# KiCad board SparkFun_BMV080_panelized.kicad_pcb (continued)
## Nets (continued)
3.3V: C1.1 C1#2.1 C1#3.1 C1#4.1 C1#5.1 C1#6.1 C1#7.1 C1#8.1 C1#9.1 C1#10.1 C1#11.1 C1#12.1 C1#13.1 C1#14.1 C1#15.1 C1#16.1 C1#17.1 C1#18.1 C1#19.1 C1#20.1 C1#21.1 C1#22.1 C1#23.1 C1#24.1 C1#25.1 C1#26.1 C1#27.1 C1#28.1 C1#29.1 C1#30.1 C1#31.1 C1#32.1 C1#33.1 C1#34.1 C1#35.1 C1#36.1 C1#37.1 C1#38.1 C1#39.1 C1#40.1 C1#41.1 C1#42.1 C1#43.1 C1#44.1 C1#45.1 C1#46.1 C1#47.1 C1#48.1 C1#49.1 C1#50.1 C1#51.1 C1#52.1 C1#53.1 C1#54.1 C2.1 C2#2.1 C2#3.1 C2#4.1 C2#5.1 C2#6.1 C2#7.1 C2#8.1 C2#9.1 C2#10.1 C2#11.1 C2#12.1 C2#13.1 C2#14.1 C2#15.1 C2#16.1 C2#17.1 C2#18.1 C2#19.1 C2#20.1 C2#21.1 C2#22.1 C2#23.1 C2#24.1 C2#25.1 C2#26.1 C2#27.1 C2#28.1 C2#29.1 C2#30.1 C2#31.1 C2#32.1 C2#33.1 C2#34.1 C2#35.1 C2#36.1 C2#37.1 C2#38.1 C2#39.1 C2#40.1 C2#41.1 C2#42.1 C2#43.1 C2#44.1 C2#45.1 C2#46.1 C2#47.1 C2#48.1 C2#49.1 C2#50.1 C2#51.1 C2#52.1 C2#53.1 C2#54.1 C3.1 C3#2.1 C3#3.1 C3#4.1 C3#5.1 C3#6.1 C3#7.1 C3#8.1 C3#9.1 C3#10.1 C3#11.1 C3#12.1 C3#13.1 C3#14.1 C3#15.1 C3#16.1 C3#17.1 C3#18.1 C3#19.1 C3#20.1 C3#21.1 C3#22.1 C3#23.1 C3#24.1 C3#25.1 C3#26.1 C3#27.1 C3#28.1 C3#29.1 C3#30.1 C3#31.1 C3#32.1 C3#33.1 C3#34.1 C3#35.1 C3#36.1 C3#37.1 C3#38.1 C3#39.1 C3#40.1 C3#41.1 C3#42.1 C3#43.1 C3#44.1 C3#45.1 C3#46.1 C3#47.1 C3#48.1 C3#49.1 C3#50.1 C3#51.1 C3#52.1 C3#53.1 C3#54.1 C4.1 C4#2.1 C4#3.1 C4#4.1 C4#5.1 C4#6.1 C4#7.1 C4#8.1 C4#9.1 C4#10.1 C4#11.1 C4#12.1 C4#13.1 C4#14.1 C4#15.1 C4#16.1 C4#17.1 C4#18.1 C4#19.1 C4#20.1 C4#21.1 C4#22.1 C4#23.1 C4#24.1 C4#25.1 C4#26.1 C4#27.1 C4#28.1 C4#29.1 C4#30.1 C4#31.1 C4#32.1 C4#33.1 C4#34.1 C4#35.1 C4#36.1 C4#37.1 C4#38.1 C4#39.1 C4#40.1 C4#41.1 C4#42.1 C4#43.1 C4#44.1 C4#45.1 C4#46.1 C4#47.1 C4#48.1 C4#49.1 C4#50.1 C4#51.1 C4#52.1 C4#53.1 C4#54.1 C5.1 C5#2.1 C5#3.1 C5#4.1 C5#5.1 C5#6.1 C5#7.1 C5#8.1 C5#9.1 C5#10.1 C5#11.1 C5#12.1 C5#13.1 C5#14.1 C5#15.1 C5#16.1 C5#17.1 C5#18.1 C5#19.1 C5#20.1 C5#21.1 C5#22.1 C5#23.1 C5#24.1 C5#25.1 C5#26.1 C5#27.1 C5#28.1 C5#29.1 C5#30.1 C5#31.1 C5#32.1 C5#33.1 C5#34.1 C5#35.1 C5#36.1 C5#37.1 C5#38.1 C5#39.1 C5#40.1 C5#41.1 C5#42.1 C5#43.1 C5#44.1 C5#45.1 C5#46.1 C5#47.1 C5#48.1 C5#49.1 C5#50.1 C5#51.1 C5#52.1 C5#53.1 C5#54.1 J1.2 J1#2.2 J1#3.2 J1#4.2 J1#5.2 J1#6.2 J1#7.2 J1#8.2 J1#9.2 J1#10.2 J1#11.2 J1#12.2 J1#13.2 J1#14.2 J1#15.2 J1#16.2 J1#17.2 J1#18.2 J1#19.2 J1#20.2 J1#21.2 J1#22.2 J1#23.2 J1#24.2 J1#25.2 J1#26.2 J1#27.2 J1#28.2 J1#29.2 J1#30.2 J1#31.2 J1#32.2 J1#33.2 J1#34.2 J1#35.2 J1#36.2 J1#37.2 J1#38.2 J1#39.2 J1#40.2 J1#41.2 J1#42.2 J1#43.2 J1#44.2 J1#45.2 J1#46.2 J1#47.2 J1#48.2 J1#49.2 J1#50.2 J1#51.2 J1#52.2 J1#53.2 J1#54.2 J2.5 J2#2.5 J2#3.5 J2#4.5 J2#5.5 J2#6.5 J2#7.5 J2#8.5 J2#9.5 J2#10.5 J2#11.5 J2#12.5 J2#13.5 J2#14.5 J2#15.5 J2#16.5 J2#17.5 J2#18.5 J2#19.5 J2#20.5 J2#21.5 J2#22.5 J2#23.5 J2#24.5 J2#25.5 J2#26.5 J2#27.5 J2#28.5 J2#29.5 J2#30.5 J2#31.5 J2#32.5 J2#33.5 J2#34.5 J2#35.5 J2#36.5 J2#37.5 J2#38.5 J2#39.5 J2#40.5 J2#41.5 J2#42.5 J2#43.5 J2#44.5 J2#45.5 J2#46.5 J2#47.5 J2#48.5 J2#49.5 J2#50.5 J2#51.5 J2#52.5 J2#53.5 J2#54.5 JP4.2 JP4#2.2 JP4#3.2 JP4#4.2 JP4#5.2 JP4#6.2 JP4#7.2 JP4#8.2 JP4#9.2 JP4#10.2 JP4#11.2 JP4#12.2 JP4#13.2 JP4#14.2 JP4#15.2 JP4#16.2 JP4#17.2 JP4#18.2 JP4#19.2 JP4#20.2 JP4#21.2 JP4#22.2 JP4#23.2 JP4#24.2 JP4#25.2 JP4#26.2 JP4#27.2 JP4#28.2 JP4#29.2 JP4#30.2 JP4#31.2 JP4#32.2 JP4#33.2 JP4#34.2 JP4#35.2 JP4#36.2 JP4#37.2 JP4#38.2 JP4#39.2 JP4#40.2 JP4#41.2 JP4#42.2 JP4#43.2 JP4#44.2 JP4#45.2 JP4#46.2 JP4#47.2 JP4#48.2 JP4#49.2 JP4#50.2 JP4#51.2 JP4#52.2 JP4#53.2 JP4#54.2 R1.1 R1#2.1 R1#3.1 R1#4.1 R1#5.1 R1#6.1 R1#7.1 R1#8.1 R1#9.1 R1#10.1 R1#11.1 R1#12.1 R1#13.1 R1#14.1 R1#15.1 R1#16.1 R1#17.1 R1#18.1 R1#19.1 R1#20.1 R1#21.1 R1#22.1 R1#23.1 R1#24.1 R1#25.1 R1#26.1 R1#27.1 R1#28.1 R1#29.1 R1#30.1 R1#31.1 R1#32.1 R1#33.1 R1#34.1 R1#35.1 R1#36.1 R1#37.1 R1#38.1 R1#39.1 R1#40.1 R1#41.1 R1#42.1 R1#43.1 R1#44.1 R1#45.1 R1#46.1 R1#47.1 R1#48.1 R1#49.1 R1#50.1 R1#51.1 R1#52.1 R1#53.1 R1#54.1 R2.1 R2#2.1 R2#3.1 R2#4.1 R2#5.1 R2#6.1 R2#7.1 R2#8.1 R2#9.1 R2#10.1 R2#11.1 R2#12.1 R2#13.1 R2#14.1 R2#15.1 R2#16.1 R2#17.1 R2#18.1 R2#19.1 R2#20.1 R2#21.1 R2#22.1 R2#23.1 R2#24.1 R2#25.1 R2#26.1 R2#27.1 R2#28.1 R2#29.1 R2#30.1 R2#31.1 R2#32.1 R2#33.1 R2#34.1 R2#35.1 R2#36.1 R2#37.1 R2#38.1 R2#39.1 R2#40.1 R2#41.1 R2#42.1 R2#43.1 R2#44.1 R2#45.1 R2#46.1 R2#47.1 R2#48.1 R2#49.1 R2#50.1 R2#51.1 R2#52.1 R2#53.1 R2#54.1 R4.1 R4#2.1 R4#3.1 R4#4.1 R4#5.1 R4#6.1 R4#7.1 R4#8.1 R4#9.1 R4#10.1 R4#11.1 R4#12.1 R4#13.1 R4#14.1 R4#15.1 R4#16.1 R4#17.1 R4#18.1 R4#19.1 R4#20.1 R4#21.1 R4#22.1 R4#23.1 R4#24.1 R4#25.1 R4#26.1 R4#27.1 R4#28.1 R4#29.1 R4#30.1 R4#31.1 R4#32.1 R4#33.1 R4#34.1 R4#35.1 R4#36.1 R4#37.1 R4#38.1 R4#39.1 R4#40.1 R4#41.1 R4#42.1 R4#43.1 R4#44.1 R4#45.1 R4#46.1 R4#47.1 R4#48.1 R4#49.1 R4#50.1 R4#51.1 R4#52.1 R4#53.1 R4#54.1 U1.1 U1.3 U1.8 U1.10 U1#2.1 U1#2.3 U1#2.8 U1#2.10 U1#3.1 U1#3.3 U1#3.8 U1#3.10 U1#4.1 U1#4.3 U1#4.8 U1#4.10 U1#5.1 U1#5.3 U1#5.8 U1#5.10 U1#6.1 U1#6.3 U1#6.8 U1#6.10 U1#7.1 U1#7.3 U1#7.8 U1#7.10 U1#8.1 U1#8.3 U1#8.8 U1#8.10 U1#9.1 U1#9.3 U1#9.8 U1#9.10 U1#10.1 U1#10.3 U1#10.8 U1#10.10 U1#11.1 U1#11.3 U1#11.8 U1#11.10 U1#12.1 U1#12.3 U1#12.8 U1#12.10 U1#13.1 U1#13.3 U1#13.8 U1#13.10 U1#14.1 U1#14.3 U1#14.8 U1#14.10 U1#15.1 U1#15.3 U1#15.8 U1#15.10 U1#16.1 U1#16.3 U1#16.8 U1#16.10 U1#17.1 U1#17.3 U1#17.8 U1#17.10 U1#18.1 U1#18.3 U1#18.8 U1#18.10 U1#19.1 U1#19.3 U1#19.8 U1#19.10 U1#20.1 U1#20.3 U1#20.8 U1#20.10 U1#21.1 U1#21.3 U1#21.8 U1#21.10 U1#22.1 U1#22.3 U1#22.8 U1#22.10 U1#23.1 U1#23.3 U1#23.8 U1#23.10 U1#24.1 U1#24.3 U1#24.8 U1#24.10 U1#25.1 U1#25.3 U1#25.8 U1#25.10 U1#26.1 U1#26.3 U1#26.8 U1#26.10 U1#27.1 U1#27.3 U1#27.8 U1#27.10 U1#28.1 U1#28.3 U1#28.8 U1#28.10 U1#29.1 U1#29.3 U1#29.8 U1#29.10 U1#30.1 U1#30.3 U1#30.8 U1#30.10 U1#31.1 U1#31.3 U1#31.8 U1#31.10 U1#32.1 U1#32.3 U1#32.8 U1#32.10 U1#33.1 U1#33.3 U1#33.8 U1#33.10 U1#34.1 U1#34.3 U1#34.8 U1#34.10 U1#35.1 U1#35.3 U1#35.8 U1#35.10 U1#36.1 U1#36.3 U1#36.8 U1#36.10 U1#37.1 U1#37.3 U1#37.8 U1#37.10 U1#38.1 U1#38.3 U1#38.8 U1#38.10 U1#39.1 U1#39.3 U1#39.8 U1#39.10 U1#40.1 U1#40.3 U1#40.8 U1#40.10 U1#41.1 U1#41.3 U1#41.8 U1#41.10 U1#42.1 U1#42.3 U1#42.8 U1#42.10 U1#43.1 U1#43.3 U1#43.8 U1#43.10 U1#44.1 U1#44.3 U1#44.8 U1#44.10 U1#45.1 U1#45.3 U1#45.8 U1#45.10 U1#46.1 U1#46.3 U1#46.8 U1#46.10 U1#47.1 U1#47.3 U1#47.8 U1#47.10 U1#48.1 U1#48.3 U1#48.8 U1#48.10 U1#49.1 U1#49.3 U1#49.8 U1#49.10 U1#50.1 U1#50.3 U1#50.8 U1#50.10 U1#51.1 U1#51.3 U1#51.8 U1#51.10 U1#52.1 U1#52.3 U1#52.8 U1#52.10 U1#53.1 U1#53.3 U1#53.8 U1#53.10 U1#54.1 U1#54.3 U1#54.8 U1#54.10
GND: C1.2 C1#2.2 C1#3.2 C1#4.2 C1#5.2 C1#6.2 C1#7.2 C1#8.2 C1#9.2 C1#10.2 C1#11.2 C1#12.2 C1#13.2 C1#14.2 C1#15.2 C1#16.2 C1#17.2 C1#18.2 C1#19.2 C1#20.2 C1#21.2 C1#22.2 C1#23.2 C1#24.2 C1#25.2 C1#26.2 C1#27.2 C1#28.2 C1#29.2 C1#30.2 C1#31.2 C1#32.2 C1#33.2 C1#34.2 C1#35.2 C1#36.2 C1#37.2 C1#38.2 C1#39.2 C1#40.2 C1#41.2 C1#42.2 C1#43.2 C1#44.2 C1#45.2 C1#46.2 C1#47.2 C1#48.2 C1#49.2 C1#50.2 C1#51.2 C1#52.2 C1#53.2 C1#54.2 C2.2 C2#2.2 C2#3.2 C2#4.2 C2#5.2 C2#6.2 C2#7.2 C2#8.2 C2#9.2 C2#10.2 C2#11.2 C2#12.2 C2#13.2 C2#14.2 C2#15.2 C2#16.2 C2#17.2 C2#18.2 C2#19.2 C2#20.2 C2#21.2 C2#22.2 C2#23.2 C2#24.2 C2#25.2 C2#26.2 C2#27.2 C2#28.2 C2#29.2 C2#30.2 C2#31.2 C2#32.2 C2#33.2 C2#34.2 C2#35.2 C2#36.2 C2#37.2 C2#38.2 C2#39.2 C2#40.2 C2#41.2 C2#42.2 C2#43.2 C2#44.2 C2#45.2 C2#46.2 C2#47.2 C2#48.2 C2#49.2 C2#50.2 C2#51.2 C2#52.2 C2#53.2 C2#54.2 C3.2 C3#2.2 C3#3.2 C3#4.2 C3#5.2 C3#6.2 C3#7.2 C3#8.2 C3#9.2 C3#10.2 C3#11.2 C3#12.2 C3#13.2 C3#14.2 C3#15.2 C3#16.2 C3#17.2 C3#18.2 C3#19.2 C3#20.2 C3#21.2 C3#22.2 C3#23.2 C3#24.2 C3#25.2 C3#26.2 C3#27.2 C3#28.2 C3#29.2 C3#30.2 C3#31.2 C3#32.2 C3#33.2 C3#34.2 C3#35.2 C3#36.2 C3#37.2 C3#38.2 C3#39.2 C3#40.2 C3#41.2 C3#42.2 C3#43.2 C3#44.2 C3#45.2 C3#46.2 C3#47.2 C3#48.2 C3#49.2 C3#50.2 C3#51.2 C3#52.2 C3#53.2 C3#54.2 C4.2 C4#2.2 C4#3.2 C4#4.2 C4#5.2 C4#6.2 C4#7.2 C4#8.2 C4#9.2 C4#10.2 C4#11.2 C4#12.2 C4#13.2 C4#14.2 C4#15.2 C4#16.2 C4#17.2 C4#18.2 C4#19.2 C4#20.2 C4#21.2 C4#22.2 C4#23.2 C4#24.2 C4#25.2 C4#26.2 C4#27.2 C4#28.2 C4#29.2 C4#30.2 C4#31.2 C4#32.2 C4#33.2 C4#34.2 C4#35.2 C4#36.2 C4#37.2 C4#38.2 C4#39.2 C4#40.2 C4#41.2 C4#42.2 C4#43.2 C4#44.2 C4#45.2 C4#46.2 C4#47.2 C4#48.2 C4#49.2 C4#50.2 C4#51.2 C4#52.2 C4#53.2 C4#54.2 C5.2 C5#2.2 C5#3.2 C5#4.2 C5#5.2 C5#6.2 C5#7.2 C5#8.2 C5#9.2 C5#10.2 C5#11.2 C5#12.2 C5#13.2 C5#14.2 C5#15.2 C5#16.2 C5#17.2 C5#18.2 C5#19.2 C5#20.2 C5#21.2 C5#22.2 C5#23.2 C5#24.2 C5#25.2 C5#26.2 C5#27.2 C5#28.2 C5#29.2 C5#30.2 C5#31.2 C5#32.2 C5#33.2 C5#34.2 C5#35.2 C5#36.2 C5#37.2 C5#38.2 C5#39.2 C5#40.2 C5#41.2 C5#42.2 C5#43.2 C5#44.2 C5#45.2 C5#46.2 C5#47.2 C5#48.2 C5#49.2 C5#50.2 C5#51.2 C5#52.2 C5#53.2 C5#54.2 J1.1 J1#2.1 J1#3.1 J1#4.1 J1#5.1 J1#6.1 J1#7.1 J1#8.1 J1#9.1 J1#10.1 J1#11.1 J1#12.1 J1#13.1 J1#14.1 J1#15.1 J1#16.1 J1#17.1 J1#18.1 J1#19.1 J1#20.1 J1#21.1 J1#22.1 J1#23.1 J1#24.1 J1#25.1 J1#26.1 J1#27.1 J1#28.1 J1#29.1 J1#30.1 J1#31.1 J1#32.1 J1#33.1 J1#34.1 J1#35.1 J1#36.1 J1#37.1 J1#38.1 J1#39.1 J1#40.1 J1#41.1 J1#42.1 J1#43.1 J1#44.1 J1#45.1 J1#46.1 J1#47.1 J1#48.1 J1#49.1 J1#50.1 J1#51.1 J1#52.1 J1#53.1 J1#54.1 J2.6 J2#2.6 J2#3.6 J2#4.6 J2#5.6 J2#6.6 J2#7.6 J2#8.6 J2#9.6 J2#10.6 J2#11.6 J2#12.6 J2#13.6 J2#14.6 J2#15.6 J2#16.6 J2#17.6 J2#18.6 J2#19.6 J2#20.6 J2#21.6 J2#22.6 J2#23.6 J2#24.6 J2#25.6 J2#26.6 J2#27.6 J2#28.6 J2#29.6 J2#30.6 J2#31.6 J2#32.6 J2#33.6 J2#34.6 J2#35.6 J2#36.6 J2#37.6 J2#38.6 J2#39.6 J2#40.6 J2#41.6 J2#42.6 J2#43.6 J2#44.6 J2#45.6 J2#46.6 J2#47.6 J2#48.6 J2#49.6 J2#50.6 J2#51.6 J2#52.6 J2#53.6 J2#54.6 JP1.3 JP1#2.3 JP1#3.3 JP1#4.3 JP1#5.3 JP1#6.3 JP1#7.3 JP1#8.3 JP1#9.3 JP1#10.3 JP1#11.3 JP1#12.3 JP1#13.3 JP1#14.3 JP1#15.3 JP1#16.3 JP1#17.3 JP1#18.3 JP1#19.3 JP1#20.3 JP1#21.3 JP1#22.3 JP1#23.3 JP1#24.3 JP1#25.3 JP1#26.3 JP1#27.3 JP1#28.3 JP1#29.3 JP1#30.3 JP1#31.3 JP1#32.3 JP1#33.3 JP1#34.3 JP1#35.3 JP1#36.3 JP1#37.3 JP1#38.3 JP1#39.3 JP1#40.3 JP1#41.3 JP1#42.3 JP1#43.3 JP1#44.3 JP1#45.3 JP1#46.3 JP1#47.3 JP1#48.3 JP1#49.3 JP1#50.3 JP1#51.3 JP1#52.3 JP1#53.3 JP1#54.3 JP2.3 JP2#2.3 JP2#3.3 JP2#4.3 JP2#5.3 JP2#6.3 JP2#7.3 JP2#8.3 JP2#9.3 JP2#10.3 JP2#11.3 JP2#12.3 JP2#13.3 JP2#14.3 JP2#15.3 JP2#16.3 JP2#17.3 JP2#18.3 JP2#19.3 JP2#20.3 JP2#21.3 JP2#22.3 JP2#23.3 JP2#24.3 JP2#25.3 JP2#26.3 JP2#27.3 JP2#28.3 JP2#29.3 JP2#30.3 JP2#31.3 JP2#32.3 JP2#33.3 JP2#34.3 JP2#35.3 JP2#36.3 JP2#37.3 JP2#38.3 JP2#39.3 JP2#40.3 JP2#41.3 JP2#42.3 JP2#43.3 JP2#44.3 JP2#45.3 JP2#46.3 JP2#47.3 JP2#48.3 JP2#49.3 JP2#50.3 JP2#51.3 JP2#52.3 JP2#53.3 JP2#54.3 JP3.3 JP3#2.3 JP3#3.3 JP3#4.3 JP3#5.3 JP3#6.3 JP3#7.3 JP3#8.3 JP3#9.3 JP3#10.3 JP3#11.3 JP3#12.3 JP3#13.3 JP3#14.3 JP3#15.3 JP3#16.3 JP3#17.3 JP3#18.3 JP3#19.3 JP3#20.3 JP3#21.3 JP3#22.3 JP3#23.3 JP3#24.3 JP3#25.3 JP3#26.3 JP3#27.3 JP3#28.3 JP3#29.3 JP3#30.3 JP3#31.3 JP3#32.3 JP3#33.3 JP3#34.3 JP3#35.3 JP3#36.3 JP3#37.3 JP3#38.3 JP3#39.3 JP3#40.3 JP3#41.3 JP3#42.3 JP3#43.3 JP3#44.3 JP3#45.3 JP3#46.3 JP3#47.3 JP3#48.3 JP3#49.3 JP3#50.3 JP3#51.3 JP3#52.3 JP3#53.3 JP3#54.3 U1.2 U1.9 U1#2.2 U1#2.9 U1#3.2 U1#3.9 U1#4.2 U1#4.9 U1#5.2 U1#5.9 U1#6.2 U1#6.9 U1#7.2 U1#7.9 U1#8.2 U1#8.9 U1#9.2 U1#9.9 U1#10.2 U1#10.9 U1#11.2 U1#11.9 U1#12.2 U1#12.9 U1#13.2 U1#13.9 U1#14.2 U1#14.9 U1#15.2 U1#15.9 U1#16.2 U1#16.9 U1#17.2 U1#17.9 U1#18.2 U1#18.9 U1#19.2 U1#19.9 U1#20.2 U1#20.9 U1#21.2 U1#21.9 U1#22.2 U1#22.9 U1#23.2 U1#23.9 U1#24.2 U1#24.9 U1#25.2 U1#25.9 U1#26.2 U1#26.9 U1#27.2 U1#27.9 U1#28.2 U1#28.9 U1#29.2 U1#29.9 U1#30.2 U1#30.9 U1#31.2 U1#31.9 U1#32.2 U1#32.9 U1#33.2 U1#33.9 U1#34.2 U1#34.9 U1#35.2 U1#35.9 U1#36.2 U1#36.9 U1#37.2 U1#37.9 U1#38.2 U1#38.9 U1#39.2 U1#39.9 U1#40.2 U1#40.9 U1#41.2 U1#41.9 U1#42.2 U1#42.9 U1#43.2 U1#43.9 U1#44.2 U1#44.9 U1#45.2 U1#45.9 U1#46.2 U1#46.9 U1#47.2 U1#47.9 U1#48.2 U1#48.9 U1#49.2 U1#49.9 U1#50.2 U1#50.9 U1#51.2 U1#51.9 U1#52.2 U1#52.9 U1#53.2 U1#53.9 U1#54.2 U1#54.9
AB0: J2.2 J2#2.2 J2#3.2 J2#4.2 J2#5.2 J2#6.2 J2#7.2 J2#8.2 J2#9.2 J2#10.2 J2#11.2 J2#12.2 J2#13.2 J2#14.2 J2#15.2 J2#16.2 J2#17.2 J2#18.2 J2#19.2 J2#20.2 J2#21.2 J2#22.2 J2#23.2 J2#24.2 J2#25.2 J2#26.2 J2#27.2 J2#28.2 J2#29.2 J2#30.2 J2#31.2 J2#32.2 J2#33.2 J2#34.2 J2#35.2 J2#36.2 J2#37.2 J2#38.2 J2#39.2 J2#40.2 J2#41.2 J2#42.2 J2#43.2 J2#44.2 J2#45.2 J2#46.2 J2#47.2 J2#48.2 J2#49.2 J2#50.2 J2#51.2 J2#52.2 J2#53.2 J2#54.2 JP2.2 JP2#2.2 JP2#3.2 JP2#4.2 JP2#5.2 JP2#6.2 JP2#7.2 JP2#8.2 JP2#9.2 JP2#10.2 JP2#11.2 JP2#12.2 JP2#13.2 JP2#14.2 JP2#15.2 JP2#16.2 JP2#17.2 JP2#18.2 JP2#19.2 JP2#20.2 JP2#21.2 JP2#22.2 JP2#23.2 JP2#24.2 JP2#25.2 JP2#26.2 JP2#27.2 JP2#28.2 JP2#29.2 JP2#30.2 JP2#31.2 JP2#32.2 JP2#33.2 JP2#34.2 JP2#35.2 JP2#36.2 JP2#37.2 JP2#38.2 JP2#39.2 JP2#40.2 JP2#41.2 JP2#42.2 JP2#43.2 JP2#44.2 JP2#45.2 JP2#46.2 JP2#47.2 JP2#48.2 JP2#49.2 JP2#50.2 JP2#51.2 JP2#52.2 JP2#53.2 JP2#54.2 U1.11 U1#2.11 U1#3.11 U1#4.11 U1#5.11 U1#6.11 U1#7.11 U1#8.11 U1#9.11 U1#10.11 U1#11.11 U1#12.11 U1#13.11 U1#14.11 U1#15.11 U1#16.11 U1#17.11 U1#18.11 U1#19.11 U1#20.11 U1#21.11 U1#22.11 U1#23.11 U1#24.11 U1#25.11 U1#26.11 U1#27.11 U1#28.11 U1#29.11 U1#30.11 U1#31.11 U1#32.11 U1#33.11 U1#34.11 U1#35.11 U1#36.11 U1#37.11 U1#38.11 U1#39.11 U1#40.11 U1#41.11 U1#42.11 U1#43.11 U1#44.11 U1#45.11 U1#46.11 U1#47.11 U1#48.11 U1#49.11 U1#50.11 U1#51.11 U1#52.11 U1#53.11 U1#54.11
AB1: J2.7 J2#2.7 J2#3.7 J2#4.7 J2#5.7 J2#6.7 J2#7.7 J2#8.7 J2#9.7 J2#10.7 J2#11.7 J2#12.7 J2#13.7 J2#14.7 J2#15.7 J2#16.7 J2#17.7 J2#18.7 J2#19.7 J2#20.7 J2#21.7 J2#22.7 J2#23.7 J2#24.7 J2#25.7 J2#26.7 J2#27.7 J2#28.7 J2#29.7 J2#30.7 J2#31.7 J2#32.7 J2#33.7 J2#34.7 J2#35.7 J2#36.7 J2#37.7 J2#38.7 J2#39.7 J2#40.7 J2#41.7 J2#42.7 J2#43.7 J2#44.7 J2#45.7 J2#46.7 J2#47.7 J2#48.7 J2#49.7 J2#50.7 J2#51.7 J2#52.7 J2#53.7 J2#54.7 JP3.2 JP3#2.2 JP3#3.2 JP3#4.2 JP3#5.2 JP3#6.2 JP3#7.2 JP3#8.2 JP3#9.2 JP3#10.2 JP3#11.2 JP3#12.2 JP3#13.2 JP3#14.2 JP3#15.2 JP3#16.2 JP3#17.2 JP3#18.2 JP3#19.2 JP3#20.2 JP3#21.2 JP3#22.2 JP3#23.2 JP3#24.2 JP3#25.2 JP3#26.2 JP3#27.2 JP3#28.2 JP3#29.2 JP3#30.2 JP3#31.2 JP3#32.2 JP3#33.2 JP3#34.2 JP3#35.2 JP3#36.2 JP3#37.2 JP3#38.2 JP3#39.2 JP3#40.2 JP3#41.2 JP3#42.2 JP3#43.2 JP3#44.2 JP3#45.2 JP3#46.2 JP3#47.2 JP3#48.2 JP3#49.2 JP3#50.2 JP3#51.2 JP3#52.2 JP3#53.2 JP3#54.2 U1.4 U1#2.4 U1#3.4 U1#4.4 U1#5.4 U1#6.4 U1#7.4 U1#8.4 U1#9.4 U1#10.4 U1#11.4 U1#12.4 U1#13.4 U1#14.4 U1#15.4 U1#16.4 U1#17.4 U1#18.4 U1#19.4 U1#20.4 U1#21.4 U1#22.4 U1#23.4 U1#24.4 U1#25.4 U1#26.4 U1#27.4 U1#28.4 U1#29.4 U1#30.4 U1#31.4 U1#32.4 U1#33.4 U1#34.4 U1#35.4 U1#36.4 U1#37.4 U1#38.4 U1#39.4 U1#40.4 U1#41.4 U1#42.4 U1#43.4 U1#44.4 U1#45.4 U1#46.4 U1#47.4 U1#48.4 U1#49.4 U1#50.4 U1#51.4 U1#52.4 U1#53.4 U1#54.4
IRQ: J2.1 J2#2.1 J2#3.1 J2#4.1 J2#5.1 J2#6.1 J2#7.1 J2#8.1 J2#9.1 J2#10.1 J2#11.1 J2#12.1 J2#13.1 J2#14.1 J2#15.1 J2#16.1 J2#17.1 J2#18.1 J2#19.1 J2#20.1 J2#21.1 J2#22.1 J2#23.1 J2#24.1 J2#25.1 J2#26.1 J2#27.1 J2#28.1 J2#29.1 J2#30.1 J2#31.1 J2#32.1 J2#33.1 J2#34.1 J2#35.1 J2#36.1 J2#37.1 J2#38.1 J2#39.1 J2#40.1 J2#41.1 J2#42.1 J2#43.1 J2#44.1 J2#45.1 J2#46.1 J2#47.1 J2#48.1 J2#49.1 J2#50.1 J2#51.1 J2#52.1 J2#53.1 J2#54.1 U1.12 U1#2.12 U1#3.12 U1#4.12 U1#5.12 U1#6.12 U1#7.12 U1#8.12 U1#9.12 U1#10.12 U1#11.12 U1#12.12 U1#13.12 U1#14.12 U1#15.12 U1#16.12 U1#17.12 U1#18.12 U1#19.12 U1#20.12 U1#21.12 U1#22.12 U1#23.12 U1#24.12 U1#25.12 U1#26.12 U1#27.12 U1#28.12 U1#29.12 U1#30.12 U1#31.12 U1#32.12 U1#33.12 U1#34.12 U1#35.12 U1#36.12 U1#37.12 U1#38.12 U1#39.12 U1#40.12 U1#41.12 U1#42.12 U1#43.12 U1#44.12 U1#45.12 U1#46.12 U1#47.12 U1#48.12 U1#49.12 U1#50.12 U1#51.12 U1#52.12 U1#53.12 U1#54.12
SCL: J1.4 J1#2.4 J1#3.4 J1#4.4 J1#5.4 J1#6.4 J1#7.4 J1#8.4 J1#9.4 J1#10.4 J1#11.4 J1#12.4 J1#13.4 J1#14.4 J1#15.4 J1#16.4 J1#17.4 J1#18.4 J1#19.4 J1#20.4 J1#21.4 J1#22.4 J1#23.4 J1#24.4 J1#25.4 J1#26.4 J1#27.4 J1#28.4 J1#29.4 J1#30.4 J1#31.4 J1#32.4 J1#33.4 J1#34.4 J1#35.4 J1#36.4 J1#37.4 J1#38.4 J1#39.4 J1#40.4 J1#41.4 J1#42.4 J1#43.4 J1#44.4 J1#45.4 J1#46.4 J1#47.4 J1#48.4 J1#49.4 J1#50.4 J1#51.4 J1#52.4 J1#53.4 J1#54.4 J2.3 J2#2.3 J2#3.3 J2#4.3 J2#5.3 J2#6.3 J2#7.3 J2#8.3 J2#9.3 J2#10.3 J2#11.3 J2#12.3 J2#13.3 J2#14.3 J2#15.3 J2#16.3 J2#17.3 J2#18.3 J2#19.3 J2#20.3 J2#21.3 J2#22.3 J2#23.3 J2#24.3 J2#25.3 J2#26.3 J2#27.3 J2#28.3 J2#29.3 J2#30.3 J2#31.3 J2#32.3 J2#33.3 J2#34.3 J2#35.3 J2#36.3 J2#37.3 J2#38.3 J2#39.3 J2#40.3 J2#41.3 J2#42.3 J2#43.3 J2#44.3 J2#45.3 J2#46.3 J2#47.3 J2#48.3 J2#49.3 J2#50.3 J2#51.3 J2#52.3 J2#53.3 J2#54.3 R3.1 R3#2.1 R3#3.1 R3#4.1 R3#5.1 R3#6.1 R3#7.1 R3#8.1 R3#9.1 R3#10.1 R3#11.1 R3#12.1 R3#13.1 R3#14.1 R3#15.1 R3#16.1 R3#17.1 R3#18.1 R3#19.1 R3#20.1 R3#21.1 R3#22.1 R3#23.1 R3#24.1 R3#25.1 R3#26.1 R3#27.1 R3#28.1 R3#29.1 R3#30.1 R3#31.1 R3#32.1 R3#33.1 R3#34.1 R3#35.1 R3#36.1 R3#37.1 R3#38.1 R3#39.1 R3#40.1 R3#41.1 R3#42.1 R3#43.1 R3#44.1 R3#45.1 R3#46.1 R3#47.1 R3#48.1 R3#49.1 R3#50.1 R3#51.1 R3#52.1 R3#53.1 R3#54.1 U1.6 U1#2.6 U1#3.6 U1#4.6 U1#5.6 U1#6.6 U1#7.6 U1#8.6 U1#9.6 U1#10.6 U1#11.6 U1#12.6 U1#13.6 U1#14.6 U1#15.6 U1#16.6 U1#17.6 U1#18.6 U1#19.6 U1#20.6 U1#21.6 U1#22.6 U1#23.6 U1#24.6 U1#25.6 U1#26.6 U1#27.6 U1#28.6 U1#29.6 U1#30.6 U1#31.6 U1#32.6 U1#33.6 U1#34.6 U1#35.6 U1#36.6 U1#37.6 U1#38.6 U1#39.6 U1#40.6 U1#41.6 U1#42.6 U1#43.6 U1#44.6 U1#45.6 U1#46.6 U1#47.6 U1#48.6 U1#49.6 U1#50.6 U1#51.6 U1#52.6 U1#53.6 U1#54.6
SDA: J1.3 J1#2.3 J1#3.3 J1#4.3 J1#5.3 J1#6.3 J1#7.3 J1#8.3 J1#9.3 J1#10.3 J1#11.3 J1#12.3 J1#13.3 J1#14.3 J1#15.3 J1#16.3 J1#17.3 J1#18.3 J1#19.3 J1#20.3 J1#21.3 J1#22.3 J1#23.3 J1#24.3 J1#25.3 J1#26.3 J1#27.3 J1#28.3 J1#29.3 J1#30.3 J1#31.3 J1#32.3 J1#33.3 J1#34.3 J1#35.3 J1#36.3 J1#37.3 J1#38.3 J1#39.3 J1#40.3 J1#41.3 J1#42.3 J1#43.3 J1#44.3 J1#45.3 J1#46.3 J1#47.3 J1#48.3 J1#49.3 J1#50.3 J1#51.3 J1#52.3 J1#53.3 J1#54.3 J2.4 J2#2.4 J2#3.4 J2#4.4 J2#5.4 J2#6.4 J2#7.4 J2#8.4 J2#9.4 J2#10.4 J2#11.4 J2#12.4 J2#13.4 J2#14.4 J2#15.4 J2#16.4 J2#17.4 J2#18.4 J2#19.4 J2#20.4 J2#21.4 J2#22.4 J2#23.4 J2#24.4 J2#25.4 J2#26.4 J2#27.4 J2#28.4 J2#29.4 J2#30.4 J2#31.4 J2#32.4 J2#33.4 J2#34.4 J2#35.4 J2#36.4 J2#37.4 J2#38.4 J2#39.4 J2#40.4 J2#41.4 J2#42.4 J2#43.4 J2#44.4 J2#45.4 J2#46.4 J2#47.4 J2#48.4 J2#49.4 J2#50.4 J2#51.4 J2#52.4 J2#53.4 J2#54.4 R5.1 R5#2.1 R5#3.1 R5#4.1 R5#5.1 R5#6.1 R5#7.1 R5#8.1 R5#9.1 R5#10.1 R5#11.1 R5#12.1 R5#13.1 R5#14.1 R5#15.1 R5#16.1 R5#17.1 R5#18.1 R5#19.1 R5#20.1 R5#21.1 R5#22.1 R5#23.1 R5#24.1 R5#25.1 R5#26.1 R5#27.1 R5#28.1 R5#29.1 R5#30.1 R5#31.1 R5#32.1 R5#33.1 R5#34.1 R5#35.1 R5#36.1 R5#37.1 R5#38.1 R5#39.1 R5#40.1 R5#41.1 R5#42.1 R5#43.1 R5#44.1 R5#45.1 R5#46.1 R5#47.1 R5#48.1 R5#49.1 R5#50.1 R5#51.1 R5#52.1 R5#53.1 R5#54.1 U1.5 U1#2.5 U1#3.5 U1#4.5 U1#5.5 U1#6.5 U1#7.5 U1#8.5 U1#9.5 U1#10.5 U1#11.5 U1#12.5 U1#13.5 U1#14.5 U1#15.5 U1#16.5 U1#17.5 U1#18.5 U1#19.5 U1#20.5 U1#21.5 U1#22.5 U1#23.5 U1#24.5 U1#25.5 U1#26.5 U1#27.5 U1#28.5 U1#29.5 U1#30.5 U1#31.5 U1#32.5 U1#33.5 U1#34.5 U1#35.5 U1#36.5 U1#37.5 U1#38.5 U1#39.5 U1#40.5 U1#41.5 U1#42.5 U1#43.5 U1#44.5 U1#45.5 U1#46.5 U1#47.5 U1#48.5 U1#49.5 U1#50.5 U1#51.5 U1#52.5 U1#53.5 U1#54.5
Net-(JP1-A): JP1.1 JP1#2.1 JP1#3.1 JP1#4.1 JP1#5.1 JP1#6.1 JP1#7.1 JP1#8.1 JP1#9.1 JP1#10.1 JP1#11.1 JP1#12.1 JP1#13.1 JP1#14.1 JP1#15.1 JP1#16.1 JP1#17.1 JP1#18.1 JP1#19.1 JP1#20.1 JP1#21.1 JP1#22.1 JP1#23.1 JP1#24.1 JP1#25.1 JP1#26.1 JP1#27.1 JP1#28.1 JP1#29.1 JP1#30.1 JP1#31.1 JP1#32.1 JP1#33.1 JP1#34.1 JP1#35.1 JP1#36.1 JP1#37.1 JP1#38.1 JP1#39.1 JP1#40.1 JP1#41.1 JP1#42.1 JP1#43.1 JP1#44.1 JP1#45.1 JP1#46.1 JP1#47.1 JP1#48.1 JP1#49.1 JP1#50.1 JP1#51.1 JP1#52.1 JP1#53.1 JP1#54.1 R1.2 R1#2.2 R1#3.2 R1#4.2 R1#5.2 R1#6.2 R1#7.2 R1#8.2 R1#9.2 R1#10.2 R1#11.2 R1#12.2 R1#13.2 R1#14.2 R1#15.2 R1#16.2 R1#17.2 R1#18.2 R1#19.2 R1#20.2 R1#21.2 R1#22.2 R1#23.2 R1#24.2 R1#25.2 R1#26.2 R1#27.2 R1#28.2 R1#29.2 R1#30.2 R1#31.2 R1#32.2 R1#33.2 R1#34.2 R1#35.2 R1#36.2 R1#37.2 R1#38.2 R1#39.2 R1#40.2 R1#41.2 R1#42.2 R1#43.2 R1#44.2 R1#45.2 R1#46.2 R1#47.2 R1#48.2 R1#49.2 R1#50.2 R1#51.2 R1#52.2 R1#53.2 R1#54.2
Net-(JP1-C): JP1.2 JP1#2.2 JP1#3.2 JP1#4.2 JP1#5.2 JP1#6.2 JP1#7.2 JP1#8.2 JP1#9.2 JP1#10.2 JP1#11.2 JP1#12.2 JP1#13.2 JP1#14.2 JP1#15.2 JP1#16.2 JP1#17.2 JP1#18.2 JP1#19.2 JP1#20.2 JP1#21.2 JP1#22.2 JP1#23.2 JP1#24.2 JP1#25.2 JP1#26.2 JP1#27.2 JP1#28.2 JP1#29.2 JP1#30.2 JP1#31.2 JP1#32.2 JP1#33.2 JP1#34.2 JP1#35.2 JP1#36.2 JP1#37.2 JP1#38.2 JP1#39.2 JP1#40.2 JP1#41.2 JP1#42.2 JP1#43.2 JP1#44.2 JP1#45.2 JP1#46.2 JP1#47.2 JP1#48.2 JP1#49.2 JP1#50.2 JP1#51.2 JP1#52.2 JP1#53.2 JP1#54.2 U1.7 U1#2.7 U1#3.7 U1#4.7 U1#5.7 U1#6.7 U1#7.7 U1#8.7 U1#9.7 U1#10.7 U1#11.7 U1#12.7 U1#13.7 U1#14.7 U1#15.7 U1#16.7 U1#17.7 U1#18.7 U1#19.7 U1#20.7 U1#21.7 U1#22.7 U1#23.7 U1#24.7 U1#25.7 U1#26.7 U1#27.7 U1#28.7 U1#29.7 U1#30.7 U1#31.7 U1#32.7 U1#33.7 U1#34.7 U1#35.7 U1#36.7 U1#37.7 U1#38.7 U1#39.7 U1#40.7 U1#41.7 U1#42.7 U1#43.7 U1#44.7 U1#45.7 U1#46.7 U1#47.7 U1#48.7 U1#49.7 U1#50.7 U1#51.7 U1#52.7 U1#53.7 U1#54.7
Net-(JP2-A): JP2.1 JP2#2.1 JP2#3.1 JP2#4.1 JP2#5.1 JP2#6.1 JP2#7.1 JP2#8.1 JP2#9.1 JP2#10.1 JP2#11.1 JP2#12.1 JP2#13.1 JP2#14.1 JP2#15.1 JP2#16.1 JP2#17.1 JP2#18.1 JP2#19.1 JP2#20.1 JP2#21.1 JP2#22.1 JP2#23.1 JP2#24.1 JP2#25.1 JP2#26.1 JP2#27.1 JP2#28.1 JP2#29.1 JP2#30.1 JP2#31.1 JP2#32.1 JP2#33.1 JP2#34.1 JP2#35.1 JP2#36.1 JP2#37.1 JP2#38.1 JP2#39.1 JP2#40.1 JP2#41.1 JP2#42.1 JP2#43.1 JP2#44.1 JP2#45.1 JP2#46.1 JP2#47.1 JP2#48.1 JP2#49.1 JP2#50.1 JP2#51.1 JP2#52.1 JP2#53.1 JP2#54.1 R2.2 R2#2.2 R2#3.2 R2#4.2 R2#5.2 R2#6.2 R2#7.2 R2#8.2 R2#9.2 R2#10.2 R2#11.2 R2#12.2 R2#13.2 R2#14.2 R2#15.2 R2#16.2 R2#17.2 R2#18.2 R2#19.2 R2#20.2 R2#21.2 R2#22.2 R2#23.2 R2#24.2 R2#25.2 R2#26.2 R2#27.2 R2#28.2 R2#29.2 R2#30.2 R2#31.2 R2#32.2 R2#33.2 R2#34.2 R2#35.2 R2#36.2 R2#37.2 R2#38.2 R2#39.2 R2#40.2 R2#41.2 R2#42.2 R2#43.2 R2#44.2 R2#45.2 R2#46.2 R2#47.2 R2#48.2 R2#49.2 R2#50.2 R2#51.2 R2#52.2 R2#53.2 R2#54.2
Net-(JP3-A): JP3.1 JP3#2.1 JP3#3.1 JP3#4.1 JP3#5.1 JP3#6.1 JP3#7.1 JP3#8.1 JP3#9.1 JP3#10.1 JP3#11.1 JP3#12.1 JP3#13.1 JP3#14.1 JP3#15.1 JP3#16.1 JP3#17.1 JP3#18.1 JP3#19.1 JP3#20.1 JP3#21.1 JP3#22.1 JP3#23.1 JP3#24.1 JP3#25.1 JP3#26.1 JP3#27.1 JP3#28.1 JP3#29.1 JP3#30.1 JP3#31.1 JP3#32.1 JP3#33.1 JP3#34.1 JP3#35.1 JP3#36.1 JP3#37.1 JP3#38.1 JP3#39.1 JP3#40.1 JP3#41.1 JP3#42.1 JP3#43.1 JP3#44.1 JP3#45.1 JP3#46.1 JP3#47.1 JP3#48.1 JP3#49.1 JP3#50.1 JP3#51.1 JP3#52.1 JP3#53.1 JP3#54.1 R4.2 R4#2.2 R4#3.2 R4#4.2 R4#5.2 R4#6.2 R4#7.2 R4#8.2 R4#9.2 R4#10.2 R4#11.2 R4#12.2 R4#13.2 R4#14.2 R4#15.2 R4#16.2 R4#17.2 R4#18.2 R4#19.2 R4#20.2 R4#21.2 R4#22.2 R4#23.2 R4#24.2 R4#25.2 R4#26.2 R4#27.2 R4#28.2 R4#29.2 R4#30.2 R4#31.2 R4#32.2 R4#33.2 R4#34.2 R4#35.2 R4#36.2 R4#37.2 R4#38.2 R4#39.2 R4#40.2 R4#41.2 R4#42.2 R4#43.2 R4#44.2 R4#45.2 R4#46.2 R4#47.2 R4#48.2 R4#49.2 R4#50.2 R4#51.2 R4#52.2 R4#53.2 R4#54.2
Net-(JP4-A): JP4.1 JP4#2.1 JP4#3.1 JP4#4.1 JP4#5.1 JP4#6.1 JP4#7.1 JP4#8.1 JP4#9.1 JP4#10.1 JP4#11.1 JP4#12.1 JP4#13.1 JP4#14.1 JP4#15.1 JP4#16.1 JP4#17.1 JP4#18.1 JP4#19.1 JP4#20.1 JP4#21.1 JP4#22.1 JP4#23.1 JP4#24.1 JP4#25.1 JP4#26.1 JP4#27.1 JP4#28.1 JP4#29.1 JP4#30.1 JP4#31.1 JP4#32.1 JP4#33.1 JP4#34.1 JP4#35.1 JP4#36.1 JP4#37.1 JP4#38.1 JP4#39.1 JP4#40.1 JP4#41.1 JP4#42.1 JP4#43.1 JP4#44.1 JP4#45.1 JP4#46.1 JP4#47.1 JP4#48.1 JP4#49.1 JP4#50.1 JP4#51.1 JP4#52.1 JP4#53.1 JP4#54.1 R5.2 R5#2.2 R5#3.2 R5#4.2 R5#5.2 R5#6.2 R5#7.2 R5#8.2 R5#9.2 R5#10.2 R5#11.2 R5#12.2 R5#13.2 R5#14.2 R5#15.2 R5#16.2 R5#17.2 R5#18.2 R5#19.2 R5#20.2 R5#21.2 R5#22.2 R5#23.2 R5#24.2 R5#25.2 R5#26.2 R5#27.2 R5#28.2 R5#29.2 R5#30.2 R5#31.2 R5#32.2 R5#33.2 R5#34.2 R5#35.2 R5#36.2 R5#37.2 R5#38.2 R5#39.2 R5#40.2 R5#41.2 R5#42.2 R5#43.2 R5#44.2 R5#45.2 R5#46.2 R5#47.2 R5#48.2 R5#49.2 R5#50.2 R5#51.2 R5#52.2 R5#53.2 R5#54.2
Net-(JP4-B): JP4.3 JP4#2.3 JP4#3.3 JP4#4.3 JP4#5.3 JP4#6.3 JP4#7.3 JP4#8.3 JP4#9.3 JP4#10.3 JP4#11.3 JP4#12.3 JP4#13.3 JP4#14.3 JP4#15.3 JP4#16.3 JP4#17.3 JP4#18.3 JP4#19.3 JP4#20.3 JP4#21.3 JP4#22.3 JP4#23.3 JP4#24.3 JP4#25.3 JP4#26.3 JP4#27.3 JP4#28.3 JP4#29.3 JP4#30.3 JP4#31.3 JP4#32.3 JP4#33.3 JP4#34.3 JP4#35.3 JP4#36.3 JP4#37.3 JP4#38.3 JP4#39.3 JP4#40.3 JP4#41.3 JP4#42.3 JP4#43.3 JP4#44.3 JP4#45.3 JP4#46.3 JP4#47.3 JP4#48.3 JP4#49.3 JP4#50.3 JP4#51.3 JP4#52.3 JP4#53.3 JP4#54.3 R3.2 R3#2.2 R3#3.2 R3#4.2 R3#5.2 R3#6.2 R3#7.2 R3#8.2 R3#9.2 R3#10.2 R3#11.2 R3#12.2 R3#13.2 R3#14.2 R3#15.2 R3#16.2 R3#17.2 R3#18.2 R3#19.2 R3#20.2 R3#21.2 R3#22.2 R3#23.2 R3#24.2 R3#25.2 R3#26.2 R3#27.2 R3#28.2 R3#29.2 R3#30.2 R3#31.2 R3#32.2 R3#33.2 R3#34.2 R3#35.2 R3#36.2 R3#37.2 R3#38.2 R3#39.2 R3#40.2 R3#41.2 R3#42.2 R3#43.2 R3#44.2 R3#45.2 R3#46.2 R3#47.2 R3#48.2 R3#49.2 R3#50.2 R3#51.2 R3#52.2 R3#53.2 R3#54.2

Pads without a net: J1 NC1 NC2; J1#2 NC1 NC2; J1#3 NC1 NC2; J1#4 NC1 NC2; J1#5 NC1 NC2; J1#6 NC1 NC2; J1#7 NC1 NC2; J1#8 NC1 NC2; J1#9 NC1 NC2; J1#10 NC1 NC2; J1#11 NC1 NC2; J1#12 NC1 NC2; J1#13 NC1 NC2; J1#14 NC1 NC2; J1#15 NC1 NC2; J1#16 NC1 NC2; J1#17 NC1 NC2; J1#18 NC1 NC2; J1#19 NC1 NC2; J1#20 NC1 NC2; J1#21 NC1 NC2; J1#22 NC1 NC2; J1#23 NC1 NC2; J1#24 NC1 NC2; J1#25 NC1 NC2; J1#26 NC1 NC2; J1#27 NC1 NC2; J1#28 NC1 NC2; J1#29 NC1 NC2; J1#30 NC1 NC2; J1#31 NC1 NC2; J1#32 NC1 NC2; J1#33 NC1 NC2; J1#34 NC1 NC2; J1#35 NC1 NC2; J1#36 NC1 NC2; J1#37 NC1 NC2; J1#38 NC1 NC2; J1#39 NC1 NC2; J1#40 NC1 NC2; J1#41 NC1 NC2; J1#42 NC1 NC2; J1#43 NC1 NC2; J1#44 NC1 NC2; J1#45 NC1 NC2; J1#46 NC1 NC2; J1#47 NC1 NC2; J1#48 NC1 NC2; J1#49 NC1 NC2; J1#50 NC1 NC2; J1#51 NC1 NC2; J1#52 NC1 NC2; J1#53 NC1 NC2; J1#54 NC1 NC2; U1 13 M1; U1#2 13 M1; U1#3 13 M1; U1#4 13 M1; U1#5 13 M1; U1#6 13 M1; U1#7 13 M1; U1#8 13 M1; U1#9 13 M1; U1#10 13 M1; U1#11 13 M1; U1#12 13 M1; U1#13 13 M1; U1#14 13 M1; U1#15 13 M1; U1#16 13 M1; U1#17 13 M1; U1#18 13 M1; U1#19 13 M1; U1#20 13 M1; U1#21 13 M1; U1#22 13 M1; U1#23 13 M1; U1#24 13 M1; U1#25 13 M1; U1#26 13 M1; U1#27 13 M1; U1#28 13 M1; U1#29 13 M1; U1#30 13 M1; U1#31 13 M1; U1#32 13 M1; U1#33 13 M1; U1#34 13 M1; U1#35 13 M1; U1#36 13 M1; U1#37 13 M1; U1#38 13 M1; U1#39 13 M1; U1#40 13 M1; U1#41 13 M1; U1#42 13 M1; U1#43 13 M1; U1#44 13 M1; U1#45 13 M1; U1#46 13 M1; U1#47 13 M1; U1#48 13 M1; U1#49 13 M1; U1#50 13 M1; U1#51 13 M1; U1#52 13 M1; U1#53 13 M1; U1#54 13 M1

## Via types
v1: diameter 0.6, hole 0.3, Top to Bottom, 3240 vias
